# Altium PCB arm_v2.PcbDoc (part 2 of 2)
Units mil, origin at the board's own origin, x right, y up, seen from the top; angles counter-clockwise.
Board outline 3620 x 3150 mil, 4 copper layers (Top Layer, Power, GND, Bottom Layer), stack 38.234 mil thick; 92 components, 78 nets, 377 pads, 130 vias.
Unrouted connection lines stored in the file: 1.
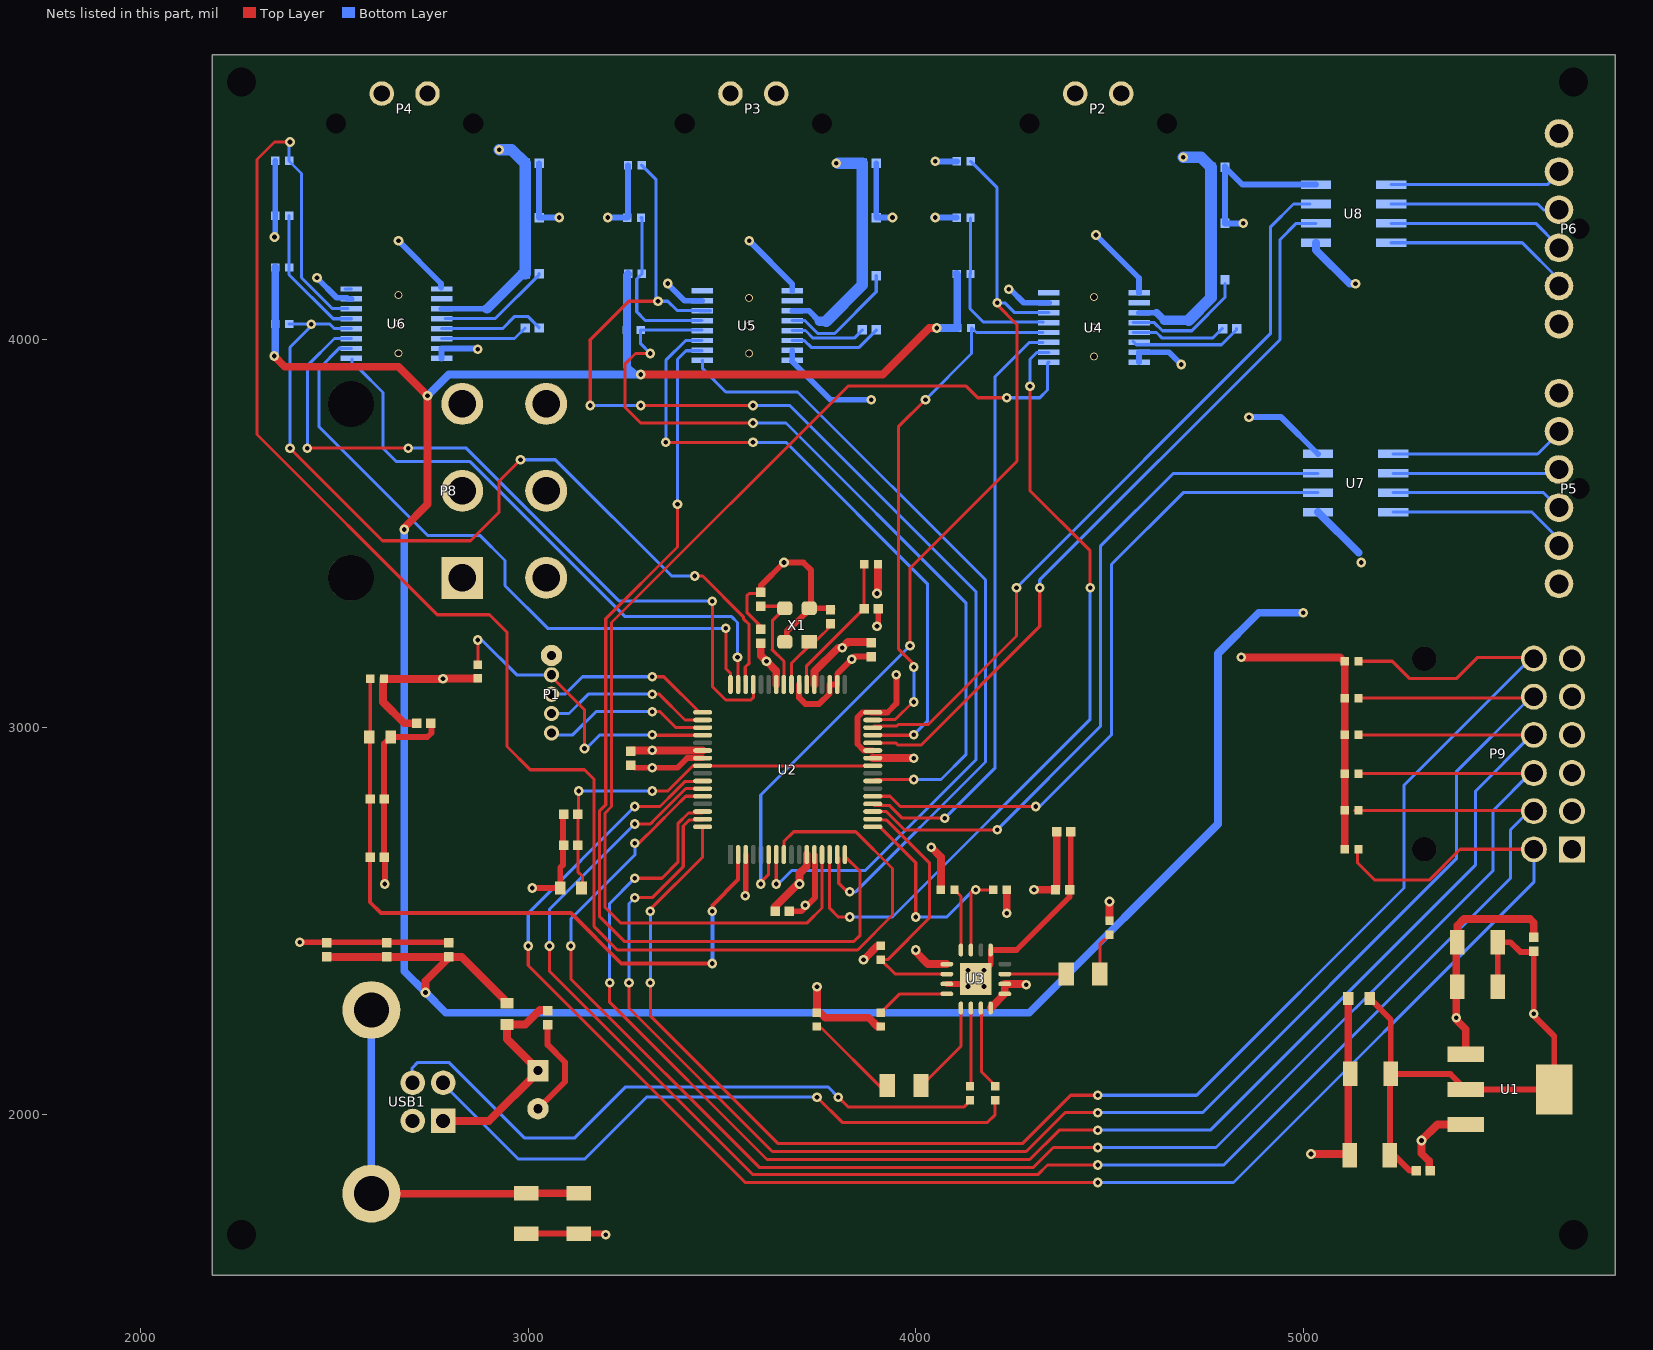
[diagram p4: the nets of this part, all layers, seen from the top]

## Via types
v1: diameter 25, hole 12, Top Layer to Bottom Layer, 130 vias

## Nets (pads, with @x,y where several pads share a name; then routed paths per layer and width w, separated by ;. In a path a pad name is that pad's centre, name@x,y a point inside that pad or via, vN(x,y) a via of type N, cw(c..) or ccw(c..) an arc to the next point about the centre after c; other vN are vias at no path point)
+3.3V: C10.1 C11.1 C12.1 C13.2 C14.2 C15.2 C16.2 C17.2 C20.2 C28.2 C29.2 F1.1 R2.1 R3.1 R4.2 R5.2 R6.2 R7.2 R13.2 R14.2 R27.2 R28.2 R29.2 R30.2 R31.2 R32.2 U1.3 U2.11 U2.26 U2.37 U2.42 U2.54 U3.1 U3.8 U3.9 U3.10 | length 3721
  Top Layer w20: F1.1@2625,3125 2625,3065 2680,3010 C20.2@2711.89,3010 ; F1.1@2627.72,3124.48 v1@2780,3124.48 ; v1@2780,3125.8 R2.1@2870,3125.8 ; C16.2@3265,2939.72 U2.54@3450.04,2939.72 ; C15.2@3600,3215 3600,3185 v1(3615,3170) 3640,3145 U2.42@3640,3110 ; C17.2@3636.89,2525 3636.89,2536.89 v1@3695,2595 ; v1(3700,2595) 3700,2622.29 3718.74,2641.03 U2.11@3718.74,2671.02 ; U2.37@3738.43,3110 3738.43,3143.43 3800,3205 v1(3810,3205) 3825,3220 C14.2@3885,3220 ; v1@3745,2325 R14.2@3745,2262.72 3753.85,2262.72 3766.57,2250 3878.43,2250 3901.15,2227.28 R7.2@3910,2227.28 ; v1(3865,2400) 3865.72,2400 3901.15,2435.43 R5.2@3910,2435.43 ; U2.26@3889.02,2920.04 v1(3995,2920) ; v1@3902.72,3347.72 R3.1@3902.72,3420 ; v1@3997.5,2422.5 4031.61,2388.39 U3.1@4080.2,2388.39 ; v1(4040,2690) 4065,2665 R6.2@4065,2585 ; U3.8@4193.39,2275.2 U3.9@4229.8,2311.61 U3.10@4229.8,2337.2 4282.8,2337.2 v1(4285,2335) ; v1(4235,2520) R4.2@4235,2580 ; v1(4305,2580) 4360,2580 4360.34,2580.34 C29.2@4360.67,2580 4363.78,2583.11 C28.2@4363.78,2730 ; R13.2@4500,2500 v1(4500,2550) ; v1(4840,3180) 5095,3180 R32.2@5105,3170 ; v1(5020,1898.23) 5116.26,1898.23 C12.1@5116.26,2300 ; R27.2@5107.28,2685 R28.2@5107.28,2785 R29.2@5107.28,2880 R30.2@5107.28,2980 R31.2@5107.28,3075 R32.2@5107.28,3170 ; C13.2@5325,1855 5325,1880 5305,1900 v1(5305,1933.11) 5346.34,1974.45 U1.3@5419.64,1974.45
  other v1: 3745,2330 4000,2425 3320,2940 2780,3125 3900,3345
+5V: C4.2 C5.2 C6.2 C7.1 C8.1 C9.2 L1.2 P5.1 P6.1 R15.2 R17.1 R19.1 R21.1 R23.1 R25.1 U1.1 U7.1 U8.1 | length 8579.9
  Top Layer w8: C6.2@2480,2410 C6.2@2483.11,2406.89 ; C5.2@2635,2410 C5.2@2638.11,2406.89
  Top Layer w20: v1(2344.33,3957.61) 2371.95,3930 2665,3930 v1(2740,3855) 2740,3575 2680,3515 v1(2680,3510) ; 2498.11,2406.89 C5.2@2635,2406.89 ; C5.2@2638.11,2406.89 C4.2@2795,2406.89 2828.11,2406.89 L1.2@2945,2290 ; v1(2735,2315) 2735,2345 C4.2@2795,2405 ; v1(3290,3910) 3915,3910 4035,4030 v1(4054.24,4030) ; v1@5395,2245 5419.64,2220.36 U1.1@5419.64,2155.55 ; v1(5395,2250) C8.1@5395,2445 ; C8.1@5397.84,2445 5397.84,2487.84 5415,2505 5585,2505 5595,2495 C9.2@5595,2460
  Bottom Layer w20: v1(2344.33,3957.61) 2347.29,3960.57 R25.1@2347.29,4186.18 ; v1(2680,3510) 2680,2370 v1(2735,2315) 2787.28,2262.72 4292.72,2262.72 4780,2750 4780,3190 4885,3295 v1(5000,3295) ; v1(2740,3855) 2795,3910 3275,3910 ; R21.1@3257.68,4169.57 3254.57,4166.45 R19.1@3254.57,4025 3254.57,3930.43 3275,3910 ; v1(3290,3910) 3275,3910 ; v1(4054.24,4030) R15.2@4107.28,4030 4107.28,4167.72 R17.1@4105,4170 ; U8.1@5033,4250 5033,4231 5120,4144 v1(5135,4144) ; U7.1@5038,3555 5143,3450
  other v1: 5150,3425
+24V: C31.2 C32.2 C33.2 C35.2 C36.2 C37.2 C39.2 C40.2 C41.2 P8.4 P8.5 P8.6 U4.11 U5.11 U6.11 | length 1858.4
  Bottom Layer w8: C39.2@2984,4170 C39.2@2991.89,4170
  Bottom Layer w15: U6.11@2776.25,4079.57 2893.57,4079.57 ; U5.11@3681.25,4074.57 3724.41,4074.57 3751.26,4047.72 ; U4.11@4576.25,4069.57 4621.48,4069.57
  Bottom Layer w20: 4621.48,4069.57 4641.05,4050
  Bottom Layer w25: 2893.57,4079.57 C39.2@2984,4170 ; 3751.26,4047.72 3768.74,4047.72 ; 4641.05,4050 4704.23,4050
  Bottom Layer w30: v1(2925,4490) 2956.89,4490 C41.2@2991.89,4455 C40.2@2991.89,4315 C39.2@2991.89,4170 ; 3768.74,4047.72 3861.89,4140.87 C35.2@3861.89,4165 C36.2@3861.89,4315 C37.2@3861.89,4455 v1@3800,4455 ; v1(4690,4470.83) 4736.06,4470.83 C33.2@4761.89,4445 ; 4704.23,4050 4761.89,4107.65 C31.2@4761.89,4154.17 C32.2@4761.89,4300 C33.2@4761.89,4440
  other v1: 3795,4455
+A3.3V: C21.2 C22.2 C23.2 F1.2 U2.2 | length 1837.4
  Top Layer w10: F1.2@2592.28,3124.48 2592.28,2976.88 2591.89,2976.49 C22.2@2591.89,2814.48 C21.2@2591.89,2664.48 2591.89,2548.11 2620,2520 3110,2520 3240,2390 v1(3475,2390) ; v1(3475,2525) 3475,2540 3541.57,2606.57 U2.2@3541.57,2671.02
  Bottom Layer w10: v1@3472.38,2522.38 v1@3475,2519.76 ; v1(3475,2390) v1@3475,2519.76 ; v1(3475,2525) v1@3475,2519.76
CLK1_A: P5.4 U7.6 | length 428
  Bottom Layer w8: U7.6@5232,3655 P5.4@5660,3655
CLK1_B: P6.4 U8.6 | length 439.2
  Bottom Layer w8: U8.6@5227,4350 5605,4350 5620,4335 P6.4@5660,4335
CLK2_A: P5.5 U7.5 | length 479.1
  Bottom Layer w8: U7.5@5232,3705 5605,3705 P5.5@5680,3780
CLK2_B: P6.5 U8.5 | length 494.9
  Bottom Layer w8: U8.5@5227,4400 5630,4400 P6.5@5660,4430 ; P6.5@5645,4405 P6.5@5680,4440
CLK_A: U2.19 U7.3 | length 1822
  Top Layer w8: U2.19@3889.02,2782.24 3923.9,2782.24 3971.14,2735 v1(4210,2735)
  Bottom Layer w8: v1(4210,2735) 4476.5,3001.5 4476.5,3466.5 4665,3655 U7.3@5038,3655
CLK_B: U2.30 U8.3 | length 1918.5
  Top Layer w8: U2.30@3889.02,2998.78 3892.79,3002.56 3950.08,3002.56 3954.02,3006.5 4031.5,3006.5 4260,3235 v1(4260,3360)
  Bottom Layer w8: v1@4262.5,3362.5 4915,4015 4915,4290 4975,4350 U8.3@5017,4350
DATA1_A: P5.2 U7.8 | length 464.1
  Bottom Layer w8: U7.8@5232,3555 5590,3555 P5.2@5665,3480
DATA1_B: P6.2 U8.8 | length 492.4
  Bottom Layer w8: U8.8@5227,4250 5565,4250 5660,4155 P6.2@5680,4155
DATA2_A: P5.3 U7.7 | length 476.4
  Bottom Layer w8: U7.7@5232,3605 5620,3605 P5.3@5682.5,3542.5
DATA2_B: P6.3 U8.7 | length 465.8
  Bottom Layer w8: U8.7@5227,4300 5600,4300 5655,4245 P6.3@5670,4245
DATA_A: U2.21 U7.2 | length 1753.9
  Top Layer w8: U2.21@3889.02,2821.61 3933.39,2821.61 3960,2795 v1(4310,2795)
  Bottom Layer w8: v1@4312.5,2787.5 4505,2980 4505,3420 4690,3605 U7.2@5038,3605
DATA_B: U2.28 U8.2 | length 1925.6
  Top Layer w8: U2.28@3889.02,2959.41 3948.11,2959.41 3954.02,2953.5 4013.5,2953.5 4320,3260 v1(4320,3360)
  Bottom Layer w8: v1(4320,3360) 4320,3380 4940,4000 4940,4258 4982,4300 U8.2@5033,4300
DM: R8.1 USB1.2 | length 1647.3
  Top Layer w8: v1(3745,2045) 3810,1980 4185,1980 4205,2000 R8.1@4205,2035
  Bottom Layer w8: USB1.2@2780,2085 2780,2080 2975,1885 3145,1885 3305,2045 v1(3745,2045)
DP: R9.1 USB1.3 | length 1649
  Top Layer w8: v1(3800,2045) 3825,2020 4125,2020 R9.1@4140,2035
  Bottom Layer w8: USB1.3@2700,2080 2700,2120 2715,2135 2795,2135 2990,1940 3120,1940 3251.5,2071.5 3773.5,2071.5 v1(3800,2045)
GND: C1.2 C2.1 C3.1 C4.1 C5.1 C6.1 C7.2 C8.2 C9.1 C10.2 C11.2 C12.2 C13.1 C14.1 C15.1 C16.1 C17.1 C18.1 C19.1 C20.1 C21.1 C22.1 C23.1 C24.1 C25.1 C26.1 C27.1 C28.1 C29.1 C32.1 C33.1 C36.1 C37.1 C40.1 C41.1 P1.1 P5.6 P6.6 P8.1 P8.2 P8.3 P9.1 P9.2 P9.3 P9.4 P9.5 P9.6 pad.6 R1.1 R16.2 R18.2 R20.2 R22.2 R24.2 R26.2 U1.2 U1.4 U2.3 U2.12 U2.27 U2.32 U2.34 U2.35 U2.39 U2.55 U3.3 U3.13 U3.17 U4.7 U4.9 U4.15 U4.16 U5.7 U5.9 U5.15 U5.16 U6.7 U6.9 U6.15 U6.16 U7.4 U8.4 USB1.4 X1.2 X1.4 | length 8497.6
  Top Layer w8: C15.1@3600,3253.11 3600,3260 3565,3295 3565,3340 3570,3345 C19.1@3600,3345
  Top Layer w15: v1(2410,2445) C4.1@2800,2445 ; C21.1@2628.11,2664.48 C22.1@2628.11,2814.48 2628.11,2957.59 C23.1@2645,2974.48 2739.48,2974.48 2750,2985 C20.1@2750,3010 ; v1(2630,2595) C21.1@2630,2665 ; C2.1@2995,1692.84 R1.1@3130,1692.83 v1@3197.83,1692.83 ; v1(3010,2585) C24.1@3082.44,2585 3082.44,2637.44 3090,2645 C26.1@3090,2775 ; C1.2@3025,2015 3095,2085 3095,2135 3050,2180 C3.1@3050,2231.89 ; C16.1@3265,2905 3275,2895 v1(3320,2895) 3385,2895 3410.04,2920.04 U2.55@3450.04,2920.04 ; v1@3561.26,2563.74 U2.3@3561.26,2671.02 ; C19.1@3600,3348.11 3600,3365 v1(3660,3425) 3710,3425 3730,3405 X1.2@3730,3306.61 ; X1.4@3667.01,3220 3667.01,3247.01 3727.36,3304.12 X1.2@3730,3306.61 ; C17.1@3675,2525 3705,2525 3740,2560 U2.12@3740,2669.45 ; U2.39@3699.06,3110 3699.06,3075.63 3714.69,3060 3750.72,3060 3777.8,3087.08 U2.35@3777.8,3110 U2.34@3797.48,3110 3797.48,3137.48 v1(3835,3175) 3841.89,3181.89 C14.1@3885,3181.89 ; C18.1@3785,3305 3783.39,3306.61 X1.2@3730,3306.61 ; U2.32@3885,3037.87 3927.13,3037.87 3950,3060.74 v1(3950,3135) ; U2.27@3889.02,2939.72 3866.09,2939.72 3849.64,2956.18 3849.64,3025.23 3862.56,3038.15 U2.32@3889.02,3038.15 ; v1@3903.11,3256.89 C27.1@3903.11,3305 ; U3.3@4080.2,2337.2 4128.08,2337.2 U3.17@4134.68,2330.6 ; U3.17@4155,2350 4193.39,2388.39 U3.13@4193.39,2424.8 4259.8,2424.8 4396.89,2561.89 C29.1@4396.89,2580 4400,2583.11 C28.1@4400,2730 ; C12.2@5171.38,2300 5225.98,2245.39 C11.2@5225.98,2105 ; C10.2@5223.82,1895 5223.82,2102.83 C11.2@5225.98,2105 ; C10.2@5225,1895 5235,1895 5275,1855 C13.1@5291.89,1855 ; C7.2@5500,2330 5502.17,2332.17 C8.2@5502.17,2445 5535,2445 5560,2420 5595,2420 v1(5595,2260) ; v1@5590,2260 5647.99,2202.01 U1.4@5647.99,2065 ; U1.4@5676.93,2093.94 U1.4@5647.99,2065 ; C11.2@5225.98,2105 5379.64,2105 U1.2@5419.64,2065 U1.4@5647.99,2065
  Bottom Layer w15: v1@2345,4270 2347.28,4272.28 R26.2@2347.28,4320 R24.2@2347.28,4461.18 ; v1(2455,4160) 2455,4158.89 2505.94,4107.95 2532.34,4107.95 2535.13,4105.16 U6.7@2543.75,4105.15 ; v1(2665,4255) 2775,4145 2775,4135 U6.9@2775.51,4134.49 ; U6.16@2776.25,3951.61 U6.15@2776.25,3977.2 2868.1,3977.2 2870.3,3975 v1(2870,3975) ; C41.1@3028.11,4455 C40.1@3028.11,4315 v1(3080,4315) ; v1(3205,4315) R22.2@3255,4315 ; R22.2@3255.47,4314.57 3257.28,4316.38 R20.2@3257.28,4450 ; v1@3361,4142.31 3403.16,4100.15 U5.7@3448.75,4100.15 ; v1(3570,4255) 3681.25,4143.75 U5.9@3681.25,4125.74 ; U5.16@3680,3945 3780,3845 v1(3885,3845) ; U5.16@3681.25,3946.61 U5.15@3681.25,3972.2 ; C36.1@3898.11,4315 C36.1@3898.11,4321.43 ; C37.1@3898.11,4455 C36.1@3898.11,4321.43 ; v1(3940,4315) 3904.54,4315 C36.1@3898.11,4321.43 ; v1@4044.87,4315 v1(4050,4315) 4105.27,4315 R18.2@4105.86,4314.41 ; v1@4055,4460 R16.2@4106.29,4460 ; v1@4244.34,4129.34 4278.52,4095.16 U4.7@4343.75,4095.16 ; v1(4465,4270) 4576.25,4158.75 U4.9@4576.25,4120.74 ; U4.16@4576.25,3941.61 U4.15@4576.25,3967.2 4653.61,3967.2 v1(4685,3935.81) ; C33.1@4798.11,4447.33 C33.1@4798.11,4445 ; v1(4845,4300) C32.1@4798.11,4300 C33.1@4798.11,4445 ; v1(4860,3800) 4943,3800 U7.4@5038,3705 ; U8.4@5033,4400 4843.11,4400 C33.1@4798.11,4445
  other v1: 3200,1690 3715,2540 3560,2565 3900,3260 4240,4130 3360,4145 2345,4265 4050,4460
IN1_A: U2.13 U4.1 | length 2946.1
  Top Layer w8: U2.13@3758.11,2671.02 3758.11,2533.11 3720,2495 3238.06,2495 3198.15,2534.91 3198.15,2778.15 3215,2795.01 3215,3270 3825,3880 4130,3880 4160,3850 v1(4235,3850)
  Bottom Layer w8: v1(4235,3850) 4320,3850 4340,3870 4340,3937.86 U4.1@4343.75,3941.61 U4.1@4341.46,3941.61
IN1_B: U2.15 U5.1 | length 2051.4
  Top Layer w8: U2.15@3797.48,2671.02 3795,2668.54 3801.26,2662.28 3801.26,2597.02 3823.28,2575 v1(3830,2575)
  Bottom Layer w8: U5.1@3449,3946.61 U5.1@3450,3945.61 ; U5.1@3450,3945 3450,3925 3510,3865 3695,3865 4180,3380 4180,2910 3845,2575 v1(3830,2575)
IN1_C: U2.47 U6.1 | length 1533.6
  Top Layer w8: U2.47@3540,3111.57 U2.47@3541.57,3110 v1@3541.57,3178.43
  Bottom Layer w8: U6.1@2545,3950 2545,3930 2550,3925 2563.91,3925 2625.3,3863.61 2625.3,3785.3 2625,3785 2625,3720 2660,3685 2850,3685 3250,3285 3525,3285 3540,3270 v1(3540,3180)
IN2_A: U2.14 U4.2 | length 2081
  Top Layer w8: U2.14@3777.8,2671.02 3777.8,2532.2 3800,2510 v1(3830,2510) ; v1(4295,3880) 4295,3610 4450,3455 v1(4450,3360)
  Bottom Layer w8: v1(3830,2510) 3940,2510 4450,3020 v1(4450,3360) ; v1(4295,3880) 4295,3949.13 4313.07,3967.2 U4.2@4343.75,3967.2
IN2_B: U2.16 U5.2 | length 2528.4
  Top Layer w8: v1@3385,3580.06 v1(3385,3575) 3385,3465 3200,3280 3200,2799.81 3184.15,2783.95 3184.15,2510.85 3247.8,2447.2 3840.82,2447.2 3856.5,2462.88 3856.5,2627.24 3817.17,2666.57 U2.16@3817.17,2671.02
  Bottom Layer w8: v1(3385,3575) 3385,3949 3407.2,3971.2 U5.2@3448.11,3971.2
IN2_C: U2.48 U6.2 | length 1710.9
  Top Layer w8: v1(3510,3255) 3510,3151.26 3521.89,3139.37 U2.48@3521.89,3110
  Bottom Layer w8: 2514,3977.2 U6.2@2543.75,3977.2 ; 2515,3980 2460,3925 2460,3775 2740,3495 2875,3495 2940,3430 2940,3365 3050,3255 v1(3510,3255)
IPROPI_A: R16.1 U2.6 U4.6 | length 2412.3
  Top Layer w8: v1@3600,2600 3620.32,2620.32 U2.6@3620.32,2671.02 ; v1(3985,3210) 3985,3410 4261.5,3686.5 4261.5,4038.5 4210,4090 v1(4210,4095)
  Bottom Layer w8: v1(3600,2595) 3600,2825 v1(3985,3210) ; R16.1@4141.73,4460 4210,4391.73 v1(4210,4095) 4230,4095 4255.44,4069.57 U4.6@4343.75,4069.57
IPROPI_B: R20.1 U2.7 U5.6 | length 3270
  Top Layer w8: v1(3160,3830) 3160,3997.66 3158.83,3998.83 3259.16,4099.15 v1(3335,4099.15) ; v1(3290,3830) v1(3580,3830) ; v1@3634.2,2595 v1(3640,2595) ; v1@3637.1,2592.1 v1(3640,2595) ; U2.7@3640,2671.02 v1(3640,2595)
  Bottom Layer w8: v1(3160,3830) v1(3290,3830) ; R20.1@3292.72,4450 3330,4412.72 3330,4104.15 v1(3335,4099.15) 3359.99,4099.15 3384.15,4075 3441.68,4075 3442.11,4074.57 U5.6@3448.75,4074.57 U5.6@3470.64,4074.57 ; v1(3580,3830) 3675,3830 4155,3350 4155,2915 3870,2630 3711.48,2630 3710.98,2630.5 3680.5,2630.5 3644.5,2594.5 3640,2599 v1(3640,2595)
IPROPI_C: R24.1 U2.8 U6.6 | length 4429.9
  Top Layer w8: v1(2385,4510) 2345,4510 2300,4465 2300,3755 2765,3290 2900,3290 2945,3245 2945,3088.02 ; 2945,3085 2945,2950 3005,2890 3145,2890 3170,2865 3170,2485 3230,2425 3850,2425 3940,2515 3940,2635 3845,2730 3685,2730 3659.69,2704.69 U2.8@3659.69,2671.02
  Bottom Layer w8: v1@2382.72,4502.72 R24.1@2382.72,4461.18 2415,4428.9 2415,4160 2495,4080 U6.6@2534.16,4080 ; v1@2385,4506.54 v1(2385,4510)
NetC30_1: C30.1 U4.14 | length 288.9
  Bottom Layer w8: U4.14@4561.25,3995 4569.45,3986.8 4788.85,3986.8 4828.11,4026.05 C30.1@4828.11,4028.39
NetC30_2: C30.2 U4.13 | length 246.9
  Bottom Layer w8: U4.13@4561.25,4018.39 U4.13@4576.25,4018.39 4621.46,4018.39 4636.05,4003.8 4765.72,4003.8 4790.32,4028.39 C30.2@4791.89,4028.39
NetC31_1: C31.1 U4.12 | length 317.2
  Bottom Layer w8: U4.12@4561.25,4043.97 U4.12@4576.25,4043.97 4615.66,4043.97 4636.64,4023 4712.15,4023 4798.11,4108.96 C31.1@4798.11,4145
NetC34_1: C34.1 U5.14 | length 243.4
  Bottom Layer w8: U5.14@3681.25,3997.8 3712.2,3997.8 3730,3980 3854.03,3980 3898.11,4024.08 C34.1@3898.11,4025
NetC34_2: C34.2 U5.13 | length 197.4
  Bottom Layer w8: U5.13@3681.25,4023.39 3715.59,4023.39 3735,4003.98 3840.87,4003.98 C34.2@3861.89,4025
NetC35_1: C35.1 U5.12 | length 317.3
  Bottom Layer w8: U5.12@3680.61,4048.97 U5.12@3681.25,4048.97 3714.05,4048.97 3747.05,4015.98 3790.74,4015.98 3898.11,4123.35 C35.1@3898.11,4165
NetC38_1: C38.1 U6.14 | length 226.9
  Bottom Layer w8: U6.14@2776.25,4002.8 2964.69,4002.8 C38.1@2991.89,4030
NetC38_2: C38.2 U6.13 | length 277.9
  Bottom Layer w8: U6.13@2776.25,4028.39 2933.39,4028.39 2965,4060 2999.03,4060 3028.11,4030.92 C38.2@3028.11,4030
NetC39_1: C39.1 U6.12 | length 292.1
  Bottom Layer w8: U6.12@2785,4055 2915.44,4055 3028.11,4167.67 C39.1@3028.11,4170
NetD1_1: D1.1 R13.1 | length 112.1
  Top Layer w8: D1.1@4475,2362.8 4475,2439.57 R13.1@4500,2464.57
NetD2_1: D2.1 R14.1 | length 253.9
  Top Layer w8: R14.1@3745,2227.28 3752.72,2227.28 3920,2060 D2.1@3929.6,2060
NetR6_1: R6.1 U3.16 | length 162.1
  Top Layer w8: R6.1@4100,2580 4116.61,2563.39 U3.16@4116.61,2424.8
NetR7_1: R7.1 U3.4 | length 190.5
  Top Layer w8: R7.1@3910,2262.72 3958.9,2311.61 U3.4@4080.2,2311.61
NetR8_2: R8.2 U3.7 | length 213
  Top Layer w8: U3.7@4170,2270 4170,2110 R8.2@4207.5,2072.5
NetR9_2: R9.2 U3.6 | length 201.1
  Top Layer w8: R9.2@4140,2075 4142.2,2077.2 U3.6@4142.2,2275.2
nFLT_A: R15.1 U2.31 U4.4 | length 1382.1
  Top Layer w8: U2.31@3885,3020 3947.72,3020 3992.72,3065 v1(3995,3065) v1@3990,3065 ; v1(3995,3155) 3995,3162.52 3955,3202.52 3955,3775 v1(4025,3845)
  Bottom Layer w8: v1(3995,3065) v1(3995,3155) ; v1(4025,3845) 4144.01,3964.01 R15.1@4144.01,4030 ; R15.1@4145,4030 4156.61,4018.39 U4.4@4328.75,4018.39
nFLT_B: R19.2 U2.23 U5.4 | length 2167.9
  Top Layer w8: v1(3315,3964.29) 3276.96,3964.29 3250,3937.33 3250,3825 3290,3785 v1(3580,3785) ; U2.23@3889.02,2860.98 3890,2860 3894.76,2864.76 3994.76,2864.76 v1(3995,2865)
  Bottom Layer w8: v1(3315,3964.29) 3290,3989.29 R19.2@3290,4025 U5.4@3448.75,4025 ; v1(3580,3785) 3665,3785 4130,3320 4130,2930 4065,2865 v1(3995,2865)
nFLT_C: R23.2 U2.46 U6.4 | length 2256.4
  Top Layer w8: v1(2385,3720) 2624,3481 2851,3481 2925,3555 2925,3635 v1(2980,3690) ; v1(3430,3390) 3450,3390 3555,3285 3555,3280 3570,3265 3570,3165.52 3570.26,3165.26 3560,3155 U2.46@3560,3120
  Bottom Layer w8: R23.2@2382.72,4040.43 2441.38,4040.43 v1@2440.95,4040 ; v1(2385,3720) 2385,3980 2440,4035 v1(2440,4040) v1@2440.95,4040 ; U6.4@2543.75,4028.39 2500,4028.39 2488.39,4040 v1@2440.95,4040 ; v1(2980,3690) 3070,3690 3370,3390 v1(3430,3390)
NO1: P9.7 R27.1 U2.58 | length 4499.7
  Top Layer w8: v1(3000,2435) 3000,2385 3560,1825 v1(4470,1825) ; v1(3275,2795) 3275,2790 3280,2795 3340,2795 3380.8,2835.8 3380.8,2836 3404.8,2860 U2.58@3450,2860 ; R27.1@5145,2680 5140,2675 5140,2650 5185,2605 5325,2605 5404.72,2684.72 P9.7@5595,2684.72
  Bottom Layer w8: v1(3000,2435) 3000,2520 v1(3275,2795) ; v1(4470,1825) 4820,1825 5595,2600 P9.7@5595,2680
NO2: P9.8 R28.1 U2.59 | length 4355.2
  Top Layer w8: v1(3055,2435) 3055,2370 3580,1845 4315,1845 4340,1870 v1(4470,1870) ; v1(3275,2750) 3315.2,2750 3317.3,2752.1 3317.3,2752.3 3325.3,2760.3 3325.3,2760.5 3394.8,2830 3394.8,2830.2 3405.9,2841.3 U2.59@3450.04,2841.3 ; R28.1@5132.72,2785 R28.1@5142.72,2785 P9.8@5590,2785
  Bottom Layer w8: v1(3055,2435) 3055,2530 v1@3272.5,2747.5 ; v1(4470,1870) 4795,1870 5535,2610 5535,2735 P9.8@5590,2790
NO3: P9.9 R29.1 U2.60 | length 4293.7
  Top Layer w8: v1(3110,2435) 3110,2350 3596,1864 4304,1864 4355,1915 v1@4462.5,1915 ; v1(3275,2700) 3285,2700 3331.3,2746.3 3331.3,2746.5 3374.8,2790 3375,2790 3406.61,2821.61 U2.60@3450.04,2821.61 ; R29.1@5137.72,2880 R29.1@5142.72,2880 P9.9@5595,2880
  Bottom Layer w8: v1(3110,2435) 3110,2505 3275,2670 v1(3275,2700) ; v1(4470,1915) 4775,1915 5490,2630 5490,2785 5590,2885 P9.9@5595,2885
NO4: P9.10 R30.1 U2.62 | length 4219.7
  Top Layer w8: v1(3210,2340) 3210,2290 3616,1884 4294,1884 4370,1960 v1(4470,1960) ; v1(3275,2610) 3345,2610 3386,2651 3386,2750.8 3413.67,2778.47 3450.04,2778.47 U2.62@3450.04,2782.24 ; R30.1@5142.72,2980 P9.10@5595,2980
  Bottom Layer w8: v1(3210,2340) 3210,2545 v1(3275,2610) ; v1(4470,1960) 4760,1960 5445,2645 5445,2835 P9.10@5590,2980
NO5: P9.11 R31.1 U2.63 | length 4179.6
  Top Layer w8: v1(3260,2340) 3260,2275 3630,1905 4285,1905 4385,2005 v1(4470,2005) ; v1(3275,2560) 3320,2560 3400,2640 3400,2745 3415,2760 U2.63@3450,2760 ; R31.1@5142.72,3075 5595,3075 P9.11@5600,3080
  Bottom Layer w8: v1(3260,2340) 3260,2545 v1(3275,2560) ; v1(4470,2005) 4740,2005 5395,2660 5395,2885 5585,3075 P9.11@5600,3075
NO6: P9.12 R32.1 U2.64 | length 4127.2
  Top Layer w8: v1(3315,2340) 3315,2255 3645,1925 4275,1925 4400,2050 v1(4470,2050) ; v1(3315,2525) 3315,2530 3450.04,2665.04 U2.64@3450.04,2742.87 ; R32.1@5142.72,3170 5230,3170 5275,3125 5395,3125 5450,3180 P9.12@5595,3180
  Bottom Layer w8: v1(3315,2340) v1(3315,2525) ; v1(4470,2050) 4725,2050 5260,2585 5260,2850 5585,3175 P9.12@5595,3175
nSLEEP_A: U2.20 U4.3 | length 1551.9
  Top Layer w8: U2.20@3889.02,2801.93 3892.8,2798.15 3931.85,2798.15 3965,2765 4064.64,2765 v1@4069.64,2760
  Bottom Layer w8: v1(4075,2765) 4205,2895 4205,3905 ; 4205.1,3904.9 4293,3992.8 U4.3@4328.75,3992.8
nSLEEP_B: U2.29 U5.3 | length 1657.3
  Top Layer w8: v1(3355,3735) v1(3580,3735) ; U2.29@3889.02,2979.09 v1@3989.09,2979.09
  Bottom Layer w8: v1(3355,3735) 3355,3946.61 3406.18,3997.8 U5.3@3448.75,3997.8 ; v1(3580,3735) 3665,3735 4030,3370 4030,3015 v1(3995,2980)
nSLEEP_C: U2.45 U6.3 | length 1941.1
  Top Layer w8: v1(2430,3720) v1(2690,3720) ; v1(3475,3325) 3475,3105 3510,3070 3575,3070 3580.94,3075.94 U2.45@3580.94,3110
  Bottom Layer w8: v1(2430,3720) 2430,3932.8 2500,4002.8 U6.3@2543.75,4002.8 ; v1(2690,3720) 2840,3720 3235,3325 v1(3475,3325)
OSC0: C18.2 U2.40 X1.1 | length 204.7
  Top Layer w8: U2.40@3679.06,3110 3679.06,3164.06 3730,3215 3730,3220 3740,3220 C18.2@3785,3265
OSC1: C19.2 U2.41 X1.3 | length 285
  Top Layer w8: C19.2@3600,3311.89 3658.11,3311.89 X1.3@3665,3305 ; 3629.8,3199.8 3660,3169.61 U2.41@3660,3115 ; 3630,3200 3630,3274.61 X1.3@3662.01,3306.61
OUT1_A: P2.2 U4.8
OUT1_B: P3.2 U5.8
OUT1_C: P4.2 U6.8 | length 16.8
  Bottom Layer w8: U6.8@2526.93,4130.74 U6.8@2543.75,4130.74
OUT2_A: P2.1 U4.10
OUT2_B: P3.1 U5.10
OUT2_C: P4.1 U6.10
RESET: C27.2 R3.2 U2.38 | length 360.2
  Top Layer w8: U2.38@3718.43,3125 3718.43,3158.43 C27.2@3866.89,3306.89 ; C27.2@3866.89,3305 C27.2@3866.89,3306.89 ; C27.2@3867.28,3307.28 C27.2@3866.89,3306.89 ; R3.2@3870,3420 3866.89,3416.89 C27.2@3866.89,3306.89
SHIELD: C2.2 R1.2 USB1.5 USB1.6 | length 1010.7
  Top Layer w20: USB1.5@2595,1795.98 2990.98,1795.98 C2.2@2995,1800 ; C2.2@2995,1797.17 R1.2@3130,1797.17
  Bottom Layer w20: USB1.5@2595,1795.98 USB1.6@2595,2270
TCK: P1.2 R2.2 U2.52 | length 838.2
  Top Layer w8: R2.2@2865,3166.24 R2.2@2870,3161.24 v1(2870,3225) ; P1.2@3060,3130 3145,3045 v1(3145,2945) ; v1(3320,2980) 3320.91,2979.09 U2.52@3450.04,2979.09
  Bottom Layer w8: v1(2870,3225) 2880,3225 2970,3135 P1.2@3060,3135 ; v1(3145,2945) 3150,2945 3185,2980 v1(3320,2980)
TDI: P1.4 U2.50 | length 438.3
  Top Layer w8: v1(3320,3085) 3338,3085 3404.54,3018.46 U2.50@3450.04,3018.46
  Bottom Layer w8: P1.4@3060,3035 3105,3035 3155,3085 v1(3320,3085)
TDO: P1.3 U2.49 | length 446.7
  Top Layer w8: v1(3320,3130) 3350,3130 3441.85,3038.15 U2.49@3450.04,3038.15
  Bottom Layer w8: P1.3@3060,3085 3095,3085 3140,3130 v1(3320,3130)
TMS: P1.5 U2.51 | length 434
  Top Layer w8: v1(3320,3040) 3340,3040 3381.22,2998.78 U2.51@3450.04,2998.78
  Bottom Layer w8: P1.5@3060,2985 3065,2980 3115,2980 3175,3040 v1(3320,3040)
"USB RX LED": D2.2 U3.5 | length 256.8
  Top Layer w8: D2.2@4016.22,2060 4016.22,2076.22 4116.61,2176.61 U3.5@4116.61,2275.2
"USB TX LED": D1.2 U3.11 | length 158.9
  Top Layer w8: U3.11@4229.8,2362.8 4263.8,2362.8 4264,2363 4388.38,2363 D1.2@4388.38,2362.8
USB_RX: R4.1 U2.17 U3.15 | length 676.9
  Top Layer w8: U2.17@3889.02,2742.87 3907.13,2742.87 4000,2650 v1(4000,2510) ; U3.15@4142.2,2424.8 4142.2,2572.2 v1@4150,2580 ; v1(4155,2580) R4.1@4199.57,2580 R4.1@4200,2580
  Bottom Layer w8: v1(4000,2510) 4080,2510 4150,2580 v1(4155,2580)
USB_TX: R5.1 U2.18 U3.2 | length 690.2
  Top Layer w8: U2.18@3889.02,2762.56 3910.52,2762.56 3913.08,2760 3924.93,2760 3965.43,2719.5 3965.5,2719.5 4035,2650 4035,2507.52 3927.48,2400 R5.1@3910,2400 3947.2,2362.8 U3.2@4080.2,2362.8
VBUS: C1.1 C3.2 L1.1 USB1.1 | length 563
  Top Layer w20: USB1.1@2780.43,1983.78 2898.78,1983.78 C1.1@3025,2110 ; C1.1@3025,2115 2945,2195 L1.1@2945,2232.44 2992.44,2232.44 3030,2270 C3.2@3045,2270
VCORE: C24.2 C25.2 C26.2 U2.25 U2.56 | length 1027.7
  Top Layer w8: C26.2@3125,2780 3130,2785 v1@3130,2830.35 ; 3128.11,2670 3128.11,2626.89 3140,2615 C24.2@3140,2585 ; 3128.11,2671.89 C26.2@3128.11,2775 ; v1(3320,2835) 3360,2835 3425.35,2900.35 U2.56@3450.04,2900.35 3450.35,2900.04 3884.96,2900.04 U2.25@3885,2900
  Bottom Layer w8: v1(3130,2835) v1(3320,2835)
VREF_A: R17.2 R18.1 U4.5 | length 438.7
  Bottom Layer w8: R17.2@4140,4170 4140,4080 4175,4045 4328.43,4045 U4.5@4328.75,4044.68 ; R17.2@4141.29,4169.05 R17.2@4141.29,4169.41 R18.1@4141.29,4314.41
VREF_B: R21.2 R22.1 U5.5 | length 429.9
  Bottom Layer w8: R22.1@3290.9,4314.57 3294,4314.57 3294,4222.89 3293.11,4222 R21.2@3293.11,4169.57 3280,4156.46 3280,4071.68 3302.7,4048.97 U5.5@3448.75,4048.97
VREF_C: R25.2 R26.1 U6.5 | length 360.4
  Bottom Layer w8: R26.1@2382.72,4320 R25.2@2382.72,4186.18 2382.72,4167.75 2496.49,4053.98 U6.5@2543.75,4053.97
pads on no net: P2.3 P2.4 P3.3 P3.4 P4.3 P4.4 P5.MH1 P6.MH1 P8. P9.13 P9.14 U2.1 U2.4 U2.5 U2.9 U2.10 U2.22 U2.24 U2.33 U2.36 U2.43 U2.44 U2.53 U2.57 U2.61 U3.12 U3.14
copper on no net: | length 0.5
  Top Layer w6: 3600.63,2692.63 3601,2693

## Polygon pours and split planes (outlines as drawn)
+3.3V on Power "Power +3.3V" (solid, pour order 24): 3243.01,3265 3243.01,3465 4912.65,3465 4912.65,3195.91 5259.89,2870 5259.89,2015 5749.98,2015 5749.98,1795 5750.38,1794.62 5745.46,1790 2330,1790 2330,3265
+5V on Power "Power +5V" (solid, pour order 26): 4945,4575 5750,4575 5750,2030.32 5310,2030.32 5310,2907.82 4945,3272.82
+24V on Power "Power +24V" (solid, pour order 22): 2730,3475.83 2730,3295 3240,3295 3240,3475.83 4735,3475.83 4735,4595 2250,4595 2245,4590 2245,3475.83
GND on GND "GND Main" (solid, pour order 32): 2245,3275 2245,1765 2810,1765 2940,1635 5540,1635 5610,1705 5697.31,1792.31 5748.07,1792.31 5748.07,4573.07 5750,4575 5740,4585 4920,4585 4920,3300 4895,3275
GND on GND "GND +24V" (solid, pour order 30): 2245,3295 2245,4590 2250,4595 4885,4595 4885,3295
GND on GND "GND Bridge 5" (solid, pour order 44): 3135,3314.43 3135.57,3315 3210,3315 3210,3230 3207.4,3232.6 3135,3232.6
GND on GND "GND Bridge 4" (solid, pour order 42): 2245,3315 2306.26,3315 2306.26,3235.2 2301.06,3230 2245,3230
GND on GND "GND Bridge 2" (solid, pour order 40): 4715,3329.14 4790,3329.14 4790,3219.93 4789.93,3220 4715,3220
GND on GND "GND Bridge 3" (solid, pour order 38): 4985,3399.48 4985,3330 4982.55,3332.45 4844.13,3332.45 4844.13,3398.61 4845,3399.48
GND on GND "GND Bridge 1" (solid, pour order 36): 4835,4585 4835,4505 4975,4505 4980,4510 4980,4585
OUT1_A on Bottom Layer "OUT1_A" (solid, pour order 74): 4315,4110.85 4371.5,4110.85 4371.5,4386.09 4460,4474.58 4460,4685 4371.5,4685 4315,4485.85
OUT2_A on Bottom Layer "OUT2_A" (solid, pour order 72): 4548.5,4090 4548.5,4081.41 4674.93,4081.41 4680,4406.91 4681.65,4408.56 4570,4520.21 4570,4685 4485,4685 4485,4482.84 4632.92,4334.92 4632.92,4124.77 4619,4110.85 4548.5,4110.85
OUT1_C on Bottom Layer "OUT1_C" (solid, pour order 70): 2515,4123.46 2571.5,4123.46 2571.5,4398.7 2670,4497.2 2670,4690 2595,4690 2515,4498.46
OUT2_C on Bottom Layer "OUT2_C" (solid, pour order 68): 2746.99,4100.23 2746.99,4091.64 2873.43,4091.64 2878.49,4417.14 2880.15,4418.79 2785,4513.94 2785,4690 2690,4690 2690,4486.57 2831.42,4345.16 2831.42,4135 2817.49,4121.08 2746.99,4121.08
OUT2_B on Bottom Layer "OUT2_B" (solid, pour order 62): 3653.5,4094.16 3653.5,4085.57 3779.93,4085.57 3785,4411.06 3786.65,4412.72 3685,4514.37 3685,4690 3595,4690 3595,4482 3737.92,4339.08 3737.92,4128.92 3724,4115 3653.5,4115
OUT1_B on Bottom Layer "OUT1_B" (solid, pour order 52): 3420,4115 3476.5,4115 3476.5,4390.24 3565,4478.74 3565,4690 3490,4690 3420,4490

## Other copper
Top Layer:
  pour cut-out: 1835,3095
  pour cut-out: 2015,2852.5
  pour cut-out: 4855,3260
Bottom Layer:
  pour cut-out: 2005,2787.29
  pour cut-out: 2015,1530

## Dimensions
2185,1585 to 5805,1585 on Top Layer
2185,4735 to 2185,1585 on Top Layer

## Text inside footprints (layer, text, board x,y; h text height)
C1: Top Overlay "+" at 2963.46,2162.68 h70 r90
U4: Mechanical 13 "*" at 4374,3983.68 h50 r180; Bottom Overlay "*" at 4321.25,3932.61 h50 r180
U5: Mechanical 13 "*" at 3479,3988.68 h50 r180; Bottom Overlay "*" at 3426.25,3937.61 h50 r180
U6: Mechanical 13 "*" at 2574,3993.68 h50 r180; Bottom Overlay "*" at 2521.25,3942.61 h50 r180
U7: Mechanical 13 "*" at 5015.5,3538 h50 r180; Bottom Overlay "*" at 5015.5,3538 h50 r180
U8: Mechanical 13 "*" at 5010.5,4233 h50 r180; Bottom Overlay "*" at 5010.5,4233 h50 r180